# KiCad board main.kicad_pcb
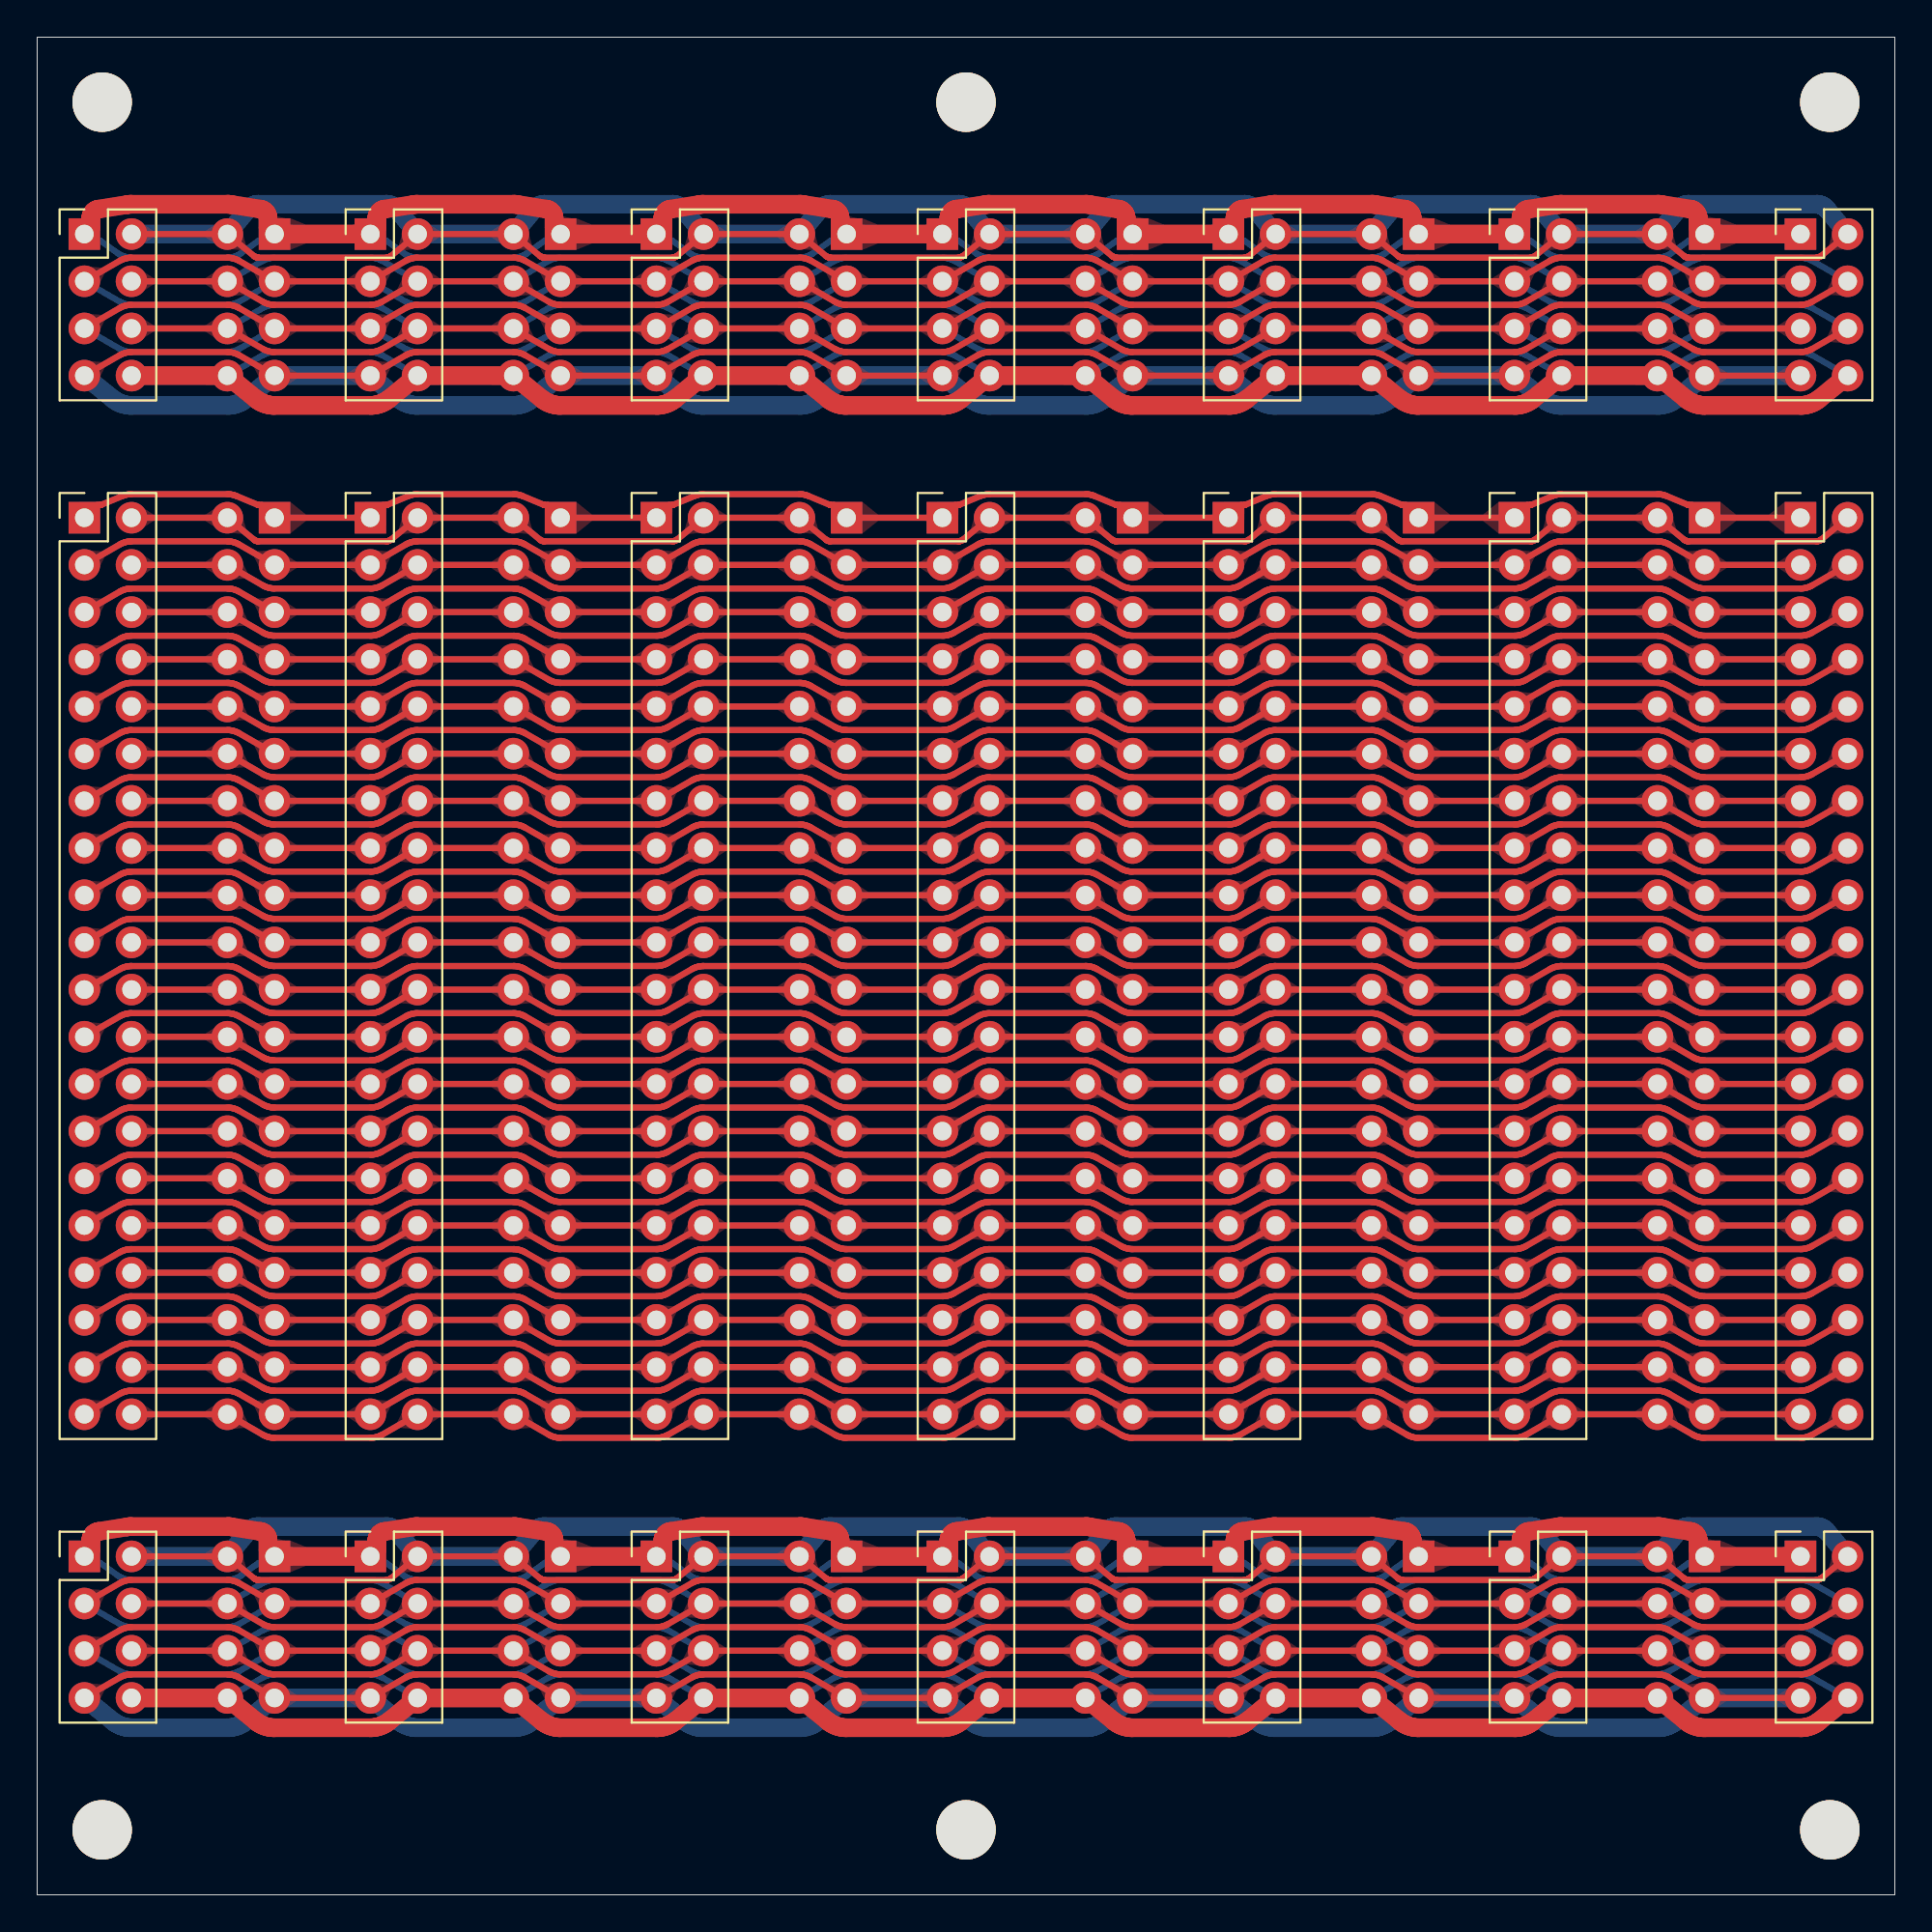
[diagram p0: board, top side]
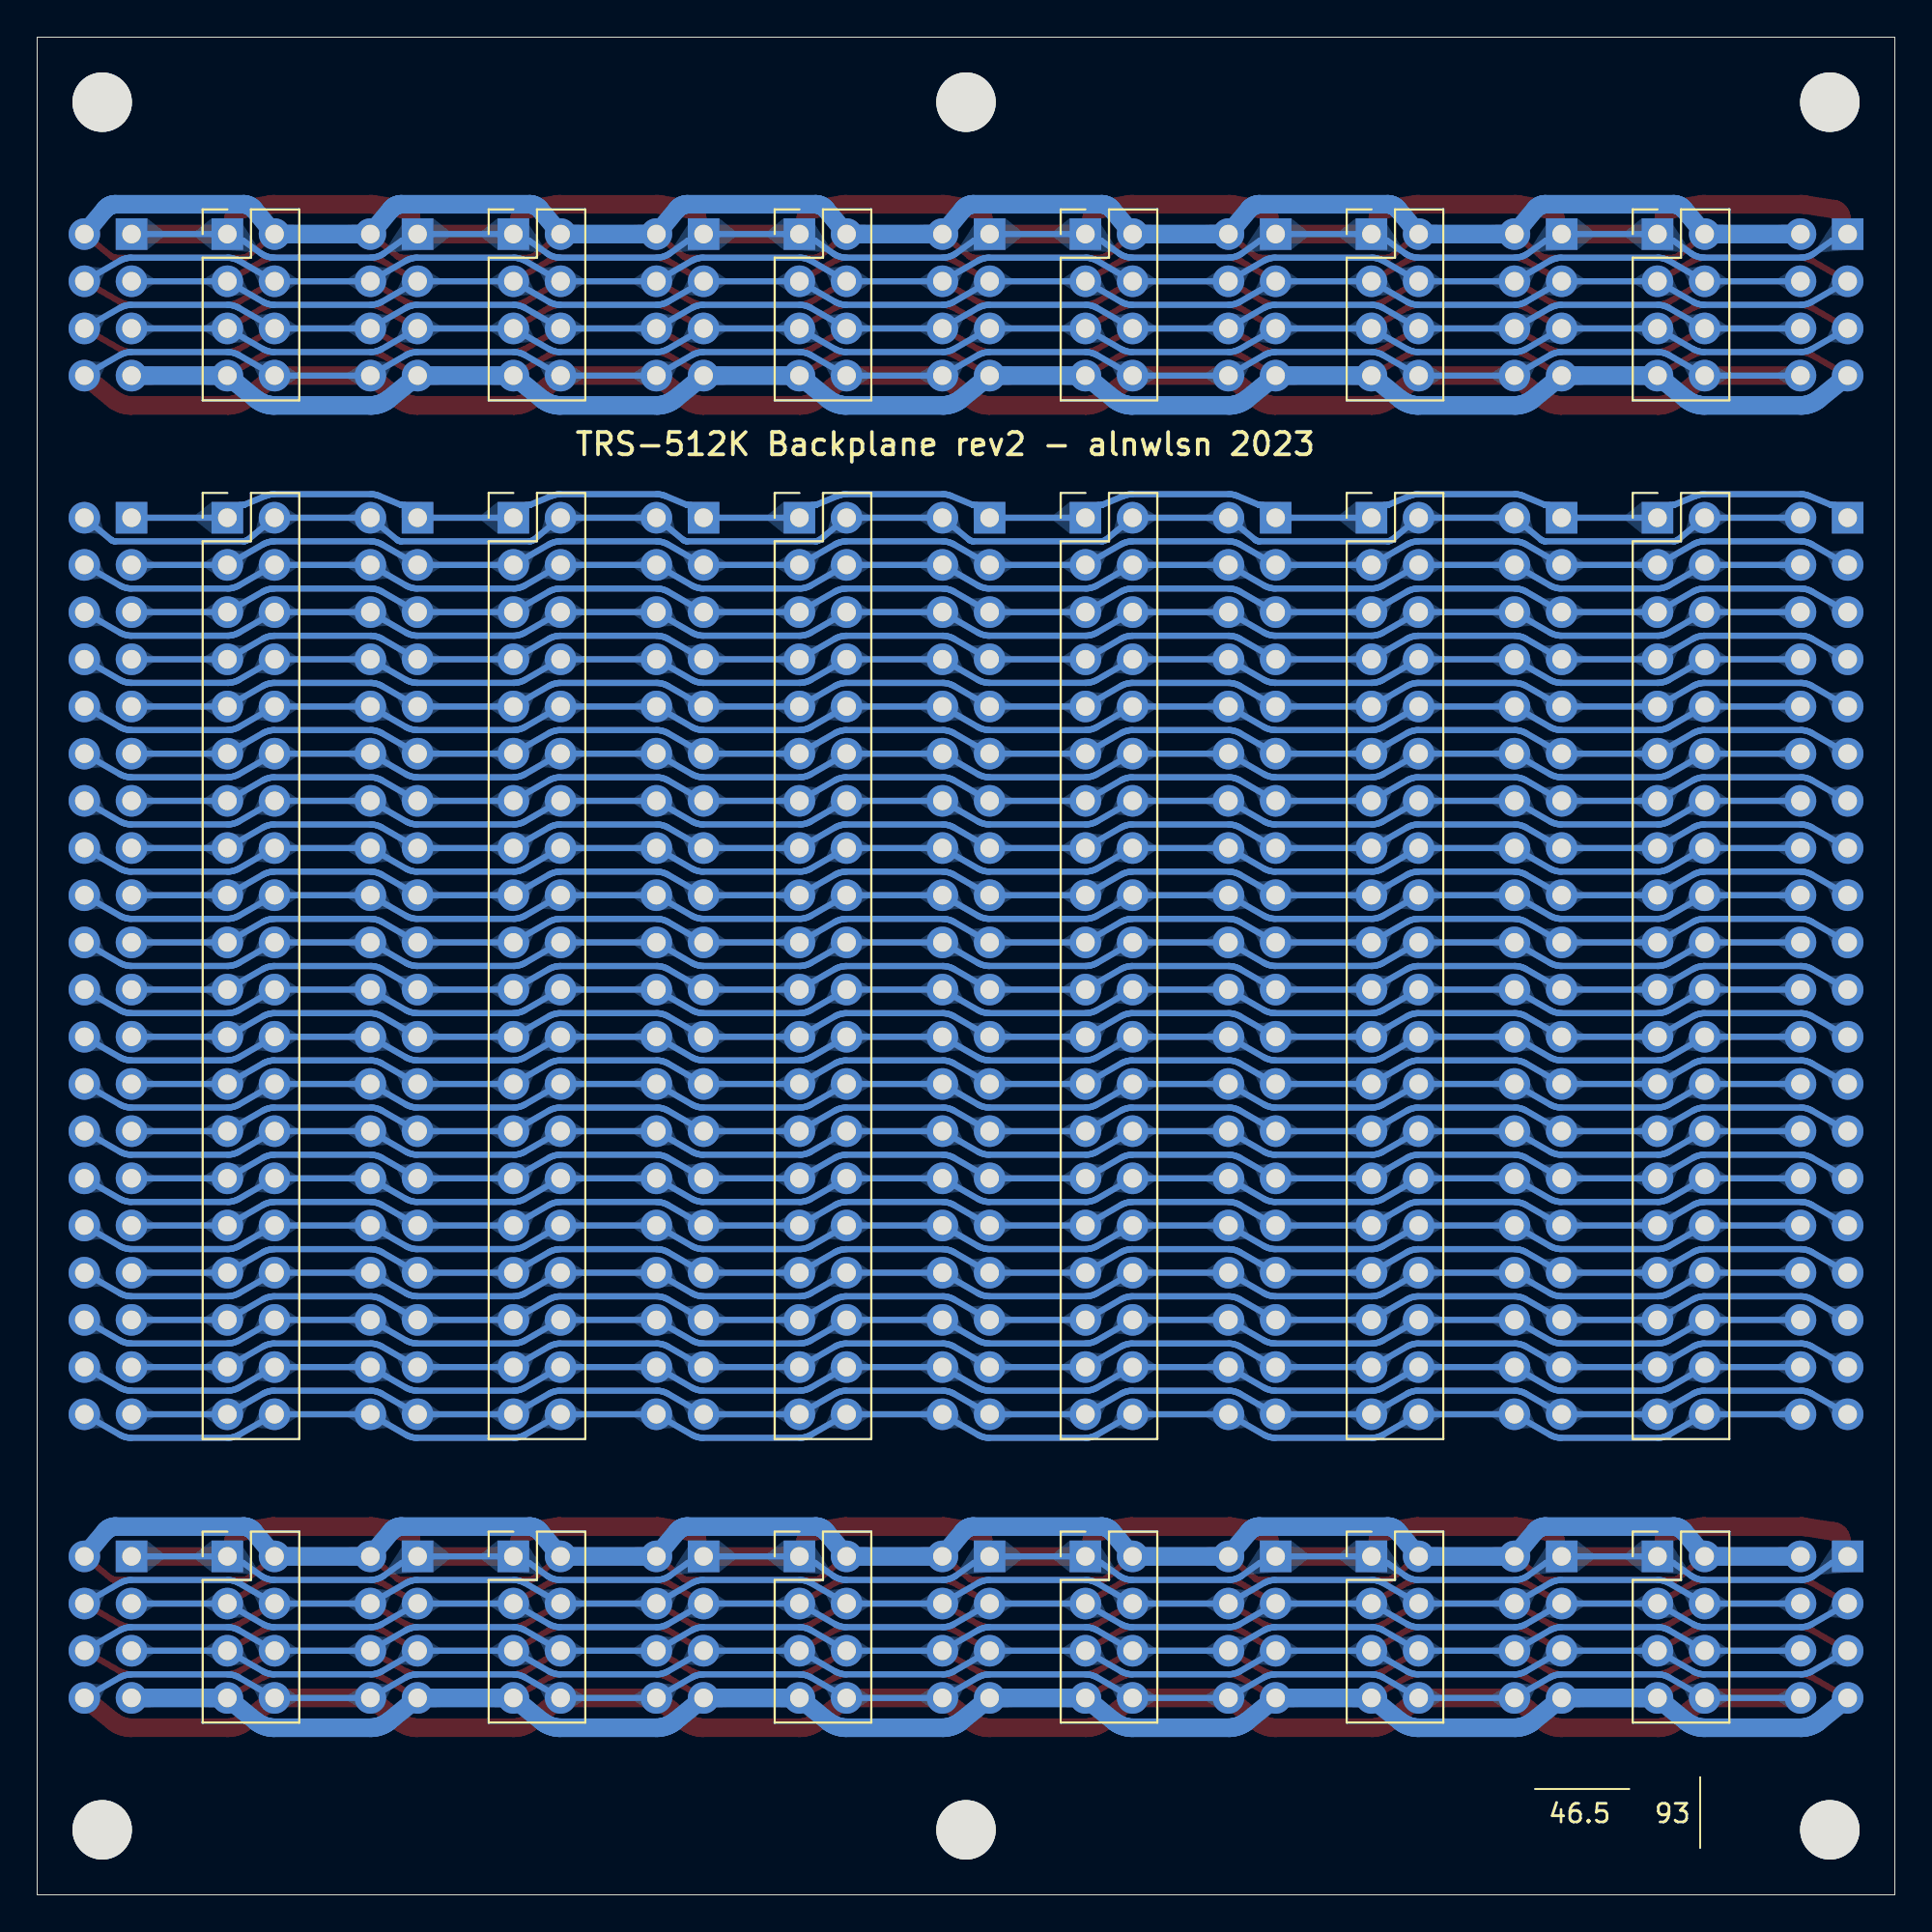
[diagram p1: board, bottom side, seen from below]

Outline 100 x 100 mm; copper layers: Top, Bottom. Coordinates in mm from the lower left corner of the outline.
Outline path: rectangle 0,100 100,0

## Placement (name value [footprint] x y rotation side)
H1  MountingHole  [MountingHole_3.2mm_M3_DIN965]  3.5 3.5 0 top
H2  MountingHole  [MountingHole_3.2mm_M3_DIN965]  3.5 96.5 0 top
H3  MountingHole  [MountingHole_3.2mm_M3_DIN965]  50 3.5 0 top
H4  MountingHole  [MountingHole_3.2mm_M3_DIN965]  96.5 96.5 0 top
H5  MountingHole  [MountingHole_3.2mm_M3_DIN965]  96.5 3.5 0 top
H6  MountingHole  [MountingHole_3.2mm_M3_DIN965]  50 96.5 0 top
J1  Conn_02x04_Odd_Even  [PinHeader_2x04_P2.54mm_Vertical]  2.54 18.22 0 top
J2  Conn_02x04_Odd_Even  [PinHeader_2x04_P2.54mm_Vertical]  2.54 89.4 0 top
J3  TRS80W-header  [PinHeader_2x20_P2.54mm_Vertical]  2.54 74.13 0 top
J4  Conn_02x04_Odd_Even  [PinHeader_2x04_P2.54mm_Vertical]  43.57 89.4 180 bottom
J5  Conn_02x04_Odd_Even  [PinHeader_2x04_P2.54mm_Vertical]  33.33 89.4 0 top
J6  Conn_02x04_Odd_Even  [PinHeader_2x04_P2.54mm_Vertical]  17.94 89.4 0 top
J7  Conn_02x04_Odd_Even  [PinHeader_2x04_P2.54mm_Vertical]  28.17 89.4 180 bottom
J8  Conn_02x04_Odd_Even  [PinHeader_2x04_P2.54mm_Vertical]  48.73 89.4 0 top
J9  TRS80W-header  [PinHeader_2x20_P2.54mm_Vertical]  28.17 74.13 180 bottom
J10  TRS80W-header  [PinHeader_2x20_P2.54mm_Vertical]  89.76 74.13 180 bottom
J11  TRS80W-header  [PinHeader_2x20_P2.54mm_Vertical]  48.73 74.13 0 top
J12  TRS80W-header  [PinHeader_2x20_P2.54mm_Vertical]  17.94 74.13 0 top
J13  TRS80W-header  [PinHeader_2x20_P2.54mm_Vertical]  33.33 74.13 0 top
J14  Conn_02x04_Odd_Even  [PinHeader_2x04_P2.54mm_Vertical]  43.57 18.22 180 bottom
J15  Conn_02x04_Odd_Even  [PinHeader_2x04_P2.54mm_Vertical]  28.17 18.22 180 bottom
J16  Conn_02x04_Odd_Even  [PinHeader_2x04_P2.54mm_Vertical]  12.78 18.22 180 bottom
J17  Conn_02x04_Odd_Even  [PinHeader_2x04_P2.54mm_Vertical]  89.76 18.22 180 bottom
J18  Conn_02x04_Odd_Even  [PinHeader_2x04_P2.54mm_Vertical]  74.36 18.22 180 bottom
J19  Conn_02x04_Odd_Even  [PinHeader_2x04_P2.54mm_Vertical]  89.76 89.4 180 bottom
J20  Conn_02x04_Odd_Even  [PinHeader_2x04_P2.54mm_Vertical]  74.36 89.4 180 bottom
J21  Conn_02x04_Odd_Even  [PinHeader_2x04_P2.54mm_Vertical]  12.78 89.4 180 bottom
J22  Conn_02x04_Odd_Even  [PinHeader_2x04_P2.54mm_Vertical]  64.13 89.4 0 top
J23  Conn_02x04_Odd_Even  [PinHeader_2x04_P2.54mm_Vertical]  79.52 89.4 0 top
J24  Conn_02x04_Odd_Even  [PinHeader_2x04_P2.54mm_Vertical]  58.97 89.4 180 bottom
J25  TRS80W-header  [PinHeader_2x20_P2.54mm_Vertical]  64.13 74.13 0 top
J26  TRS80W-header  [PinHeader_2x20_P2.54mm_Vertical]  12.78 74.13 180 bottom
J27  TRS80W-header  [PinHeader_2x20_P2.54mm_Vertical]  58.97 74.13 180 bottom
J28  TRS80W-header  [PinHeader_2x20_P2.54mm_Vertical]  43.57 74.13 180 bottom
J29  TRS80W-header  [PinHeader_2x20_P2.54mm_Vertical]  94.92 74.13 0 top
J30  TRS80W-header  [PinHeader_2x20_P2.54mm_Vertical]  79.52 74.13 0 top
J31  Conn_02x04_Odd_Even  [PinHeader_2x04_P2.54mm_Vertical]  48.73 18.22 0 top
J32  Conn_02x04_Odd_Even  [PinHeader_2x04_P2.54mm_Vertical]  79.52 18.22 0 top
J33  Conn_02x04_Odd_Even  [PinHeader_2x04_P2.54mm_Vertical]  64.13 18.22 0 top
J34  Conn_02x04_Odd_Even  [PinHeader_2x04_P2.54mm_Vertical]  58.97 18.22 180 bottom
J35  Conn_02x04_Odd_Even  [PinHeader_2x04_P2.54mm_Vertical]  33.33 18.22 0 top
J36  Conn_02x04_Odd_Even  [PinHeader_2x04_P2.54mm_Vertical]  17.94 18.22 0 top
J37  Conn_02x04_Odd_Even  [PinHeader_2x04_P2.54mm_Vertical]  94.92 89.4 0 top
J38  TRS80W-header  [PinHeader_2x20_P2.54mm_Vertical]  74.36 74.13 180 bottom
J39  Conn_02x04_Odd_Even  [PinHeader_2x04_P2.54mm_Vertical]  94.92 18.22 0 top

## Library data of the parts
H1-H6 = -: Description: Mounting Hole without connection
J1 J2 J4-J8 J14-J24 J31-J37 J39 = -: Description: Generic connector, double row, 02x04, odd/even pin numbering scheme (row 1 odd numbers, row 2 even numbers), script generated (kicad-library-utils/schlib/autogen/connector/)

## Footprints (pads in the part's own frame, mm; a bottom-side part is the same pattern mirrored in y, then rotated)
MountingHole_3.2mm_M3_DIN965
  round 3.2 hole 3.2 unplated: (0,0)
PinHeader_2x04_P2.54mm_Vertical
  rect 1.7x1.7 hole 1: 1(0,0)
  oval 1.7x1.7 hole 1: 2(2.54,0) 3(0,-2.54) 4(2.54,-2.54) 5(0,-5.08) 6(2.54,-5.08) 7(0,-7.62) 8(2.54,-7.62)
PinHeader_2x20_P2.54mm_Vertical
  rect 1.7x1.7 hole 1: 1(0,0)
  oval 1.7x1.7 hole 1: 2(2.54,0) 3(0,-2.54) 4(2.54,-2.54) 5(0,-5.08) 6(2.54,-5.08) 7(0,-7.62) 8(2.54,-7.62) 9(0,-10.16) 10(2.54,-10.16) 11(0,-12.7) 12(2.54,-12.7) 13(0,-15.24) 14(2.54,-15.24) 15(0,-17.78) 16(2.54,-17.78) 17(0,-20.32) 18(2.54,-20.32) 19(0,-22.86) 20(2.54,-22.86) 21(0,-25.4) 22(2.54,-25.4) 23(0,-27.94) 24(2.54,-27.94) 25(0,-30.48) 26(2.54,-30.48) 27(0,-33.02) 28(2.54,-33.02) 29(0,-35.56) 30(2.54,-35.56) 31(0,-38.1) 32(2.54,-38.1) 33(0,-40.64) 34(2.54,-40.64) 35(0,-43.18) 36(2.54,-43.18) 37(0,-45.72) 38(2.54,-45.72) 39(0,-48.26) 40(2.54,-48.26)

## Nets
5V1: J2.1 J4.1 J5.1 J6.1 J7.1 J8.1 J19.1 J20.1 J21.1 J22.1 J23.1 J24.1 J37.1
5V2: J2.3 J4.3 J5.3 J6.3 J7.3 J8.3 J19.3 J20.3 J21.3 J22.3 J23.3 J24.3 J37.3
+5V: J3.40 J9.40 J10.40 J11.40 J12.40 J13.40 J25.40 J26.40 J27.40 J28.40 J29.40 J30.40 J38.40
GND: J3.7 J9.7 J10.7 J11.7 J12.7 J13.7 J25.7 J26.7 J27.7 J28.7 J29.7 J30.7 J38.7
GND2: J3.30 J9.30 J10.30 J11.30 J12.30 J13.30 J25.30 J26.30 J27.30 J28.30 J29.30 J30.30 J38.30
GND3: J3.38 J9.38 J10.38 J11.38 J12.38 J13.38 J25.38 J26.38 J27.38 J28.38 J29.38 J30.38 J38.38
GND4: J2.2 J4.2 J5.2 J6.2 J7.2 J8.2 J19.2 J20.2 J21.2 J22.2 J23.2 J24.2 J37.2
GND5: J2.4 J4.4 J5.4 J6.4 J7.4 J8.4 J19.4 J20.4 J21.4 J22.4 J23.4 J24.4 J37.4
GND6: J2.6 J4.6 J5.6 J6.6 J7.6 J8.6 J19.6 J20.6 J21.6 J22.6 J23.6 J24.6 J37.6
GND7: J2.8 J4.8 J5.8 J6.8 J7.8 J8.8 J19.8 J20.8 J21.8 J22.8 J23.8 J24.8 J37.8
+12: J2.7 J4.7 J5.7 J6.7 J7.7 J8.7 J19.7 J20.7 J21.7 J22.7 J23.7 J24.7 J37.7
-5: J2.5 J4.5 J5.5 J6.5 J7.5 J8.5 J19.5 J20.5 J21.5 J22.5 J23.5 J24.5 J37.5
C1: J1.1 J14.1 J15.1 J16.1 J17.1 J18.1 J31.1 J32.1 J33.1 J34.1 J35.1 J36.1 J39.1
C2: J1.2 J14.2 J15.2 J16.2 J17.2 J18.2 J31.2 J32.2 J33.2 J34.2 J35.2 J36.2 J39.2
C3: J1.3 J14.3 J15.3 J16.3 J17.3 J18.3 J31.3 J32.3 J33.3 J34.3 J35.3 J36.3 J39.3
C4: J1.4 J14.4 J15.4 J16.4 J17.4 J18.4 J31.4 J32.4 J33.4 J34.4 J35.4 J36.4 J39.4
C5: J1.5 J14.5 J15.5 J16.5 J17.5 J18.5 J31.5 J32.5 J33.5 J34.5 J35.5 J36.5 J39.5
C6: J1.6 J14.6 J15.6 J16.6 J17.6 J18.6 J31.6 J32.6 J33.6 J34.6 J35.6 J36.6 J39.6
C7: J1.7 J14.7 J15.7 J16.7 J17.7 J18.7 J31.7 J32.7 J33.7 J34.7 J35.7 J36.7 J39.7
C8: J1.8 J14.8 J15.8 J16.8 J17.8 J18.8 J31.8 J32.8 J33.8 J34.8 J35.8 J36.8 J39.8
CLK: J3.24 J9.24 J10.24 J11.24 J12.24 J13.24 J25.24 J26.24 J27.24 J28.24 J29.24 J30.24 J38.24
F_A0: J3.26 J9.26 J10.26 J11.26 J12.26 J13.26 J25.26 J26.26 J27.26 J28.26 J29.26 J30.26 J38.26
F_A1: J3.28 J9.28 J10.28 J11.28 J12.28 J13.28 J25.28 J26.28 J27.28 J28.28 J29.28 J30.28 J38.28
F_A2: J3.39 J9.39 J10.39 J11.39 J12.39 J13.39 J25.39 J26.39 J27.39 J28.39 J29.39 J30.39 J38.39
F_A3: J3.33 J9.33 J10.33 J11.33 J12.33 J13.33 J25.33 J26.33 J27.33 J28.33 J29.33 J30.33 J38.33
F_A4: J3.32 J9.32 J10.32 J11.32 J12.32 J13.32 J25.32 J26.32 J27.32 J28.32 J29.32 J30.32 J38.32
F_A5: J3.36 J9.36 J10.36 J11.36 J12.36 J13.36 J25.36 J26.36 J27.36 J28.36 J29.36 J30.36 J38.36
F_A6: J3.37 J9.37 J10.37 J11.37 J12.37 J13.37 J25.37 J26.37 J27.37 J28.37 J29.37 J30.37 J38.37
F_A7: J3.35 J9.35 J10.35 J11.35 J12.35 J13.35 J25.35 J26.35 J27.35 J28.35 J29.35 J30.35 J38.35
F_A8: J3.12 J9.12 J10.12 J11.12 J12.12 J13.12 J25.12 J26.12 J27.12 J28.12 J29.12 J30.12 J38.12
F_A9: J3.18 J9.18 J10.18 J11.18 J12.18 J13.18 J25.18 J26.18 J27.18 J28.18 J29.18 J30.18 J38.18
F_A10: J3.3 J9.3 J10.3 J11.3 J12.3 J13.3 J25.3 J26.3 J27.3 J28.3 J29.3 J30.3 J38.3
F_A11: J3.10 J9.10 J10.10 J11.10 J12.10 J13.10 J25.10 J26.10 J27.10 J28.10 J29.10 J30.10 J38.10
F_A12: J3.6 J9.6 J10.6 J11.6 J12.6 J13.6 J25.6 J26.6 J27.6 J28.6 J29.6 J30.6 J38.6
F_A13: J3.5 J9.5 J10.5 J11.5 J12.5 J13.5 J25.5 J26.5 J27.5 J28.5 J29.5 J30.5 J38.5
F_A14: J3.9 J9.9 J10.9 J11.9 J12.9 J13.9 J25.9 J26.9 J27.9 J28.9 J29.9 J30.9 J38.9
F_A15: J3.8 J9.8 J10.8 J11.8 J12.8 J13.8 J25.8 J26.8 J27.8 J28.8 J29.8 J30.8 J38.8
F_D0: J3.29 J9.29 J10.29 J11.29 J12.29 J13.29 J25.29 J26.29 J27.29 J28.29 J29.29 J30.29 J38.29
F_D1: J3.21 J9.21 J10.21 J11.21 J12.21 J13.21 J25.21 J26.21 J27.21 J28.21 J29.21 J30.21 J38.21
F_D2: J3.31 J9.31 J10.31 J11.31 J12.31 J13.31 J25.31 J26.31 J27.31 J28.31 J29.31 J30.31 J38.31
F_D3: J3.25 J9.25 J10.25 J11.25 J12.25 J13.25 J25.25 J26.25 J27.25 J28.25 J29.25 J30.25 J38.25
F_D4: J3.17 J9.17 J10.17 J11.17 J12.17 J13.17 J25.17 J26.17 J27.17 J28.17 J29.17 J30.17 J38.17
F_D5: J3.27 J9.27 J10.27 J11.27 J12.27 J13.27 J25.27 J26.27 J27.27 J28.27 J29.27 J30.27 J38.27
F_D6: J3.23 J9.23 J10.23 J11.23 J12.23 J13.23 J25.23 J26.23 J27.23 J28.23 J29.23 J30.23 J38.23
F_D7: J3.19 J9.19 J10.19 J11.19 J12.19 J13.19 J25.19 J26.19 J27.19 J28.19 J29.19 J30.19 J38.19
~{F_EXMEM}: J3.4 J9.4 J10.4 J11.4 J12.4 J13.4 J25.4 J26.4 J27.4 J28.4 J29.4 J30.4 J38.4
~{F_INTAK}: J3.13 J9.13 J10.13 J11.13 J12.13 J13.13 J25.13 J26.13 J27.13 J28.13 J29.13 J30.13 J38.13
~{F_INT}: J3.22 J9.22 J10.22 J11.22 J12.22 J13.22 J25.22 J26.22 J27.22 J28.22 J29.22 J30.22 J38.22
~{F_INUSE}: J3.15 J9.15 J10.15 J11.15 J12.15 J13.15 J25.15 J26.15 J27.15 J28.15 J29.15 J30.15 J38.15
~{F_IN}: J3.20 J9.20 J10.20 J11.20 J12.20 J13.20 J25.20 J26.20 J27.20 J28.20 J29.20 J30.20 J38.20
~{F_MREQ}: J3.2 J9.2 J10.2 J11.2 J12.2 J13.2 J25.2 J26.2 J27.2 J28.2 J29.2 J30.2 J38.2
~{F_OUT}: J3.11 J9.11 J10.11 J11.11 J12.11 J13.11 J25.11 J26.11 J27.11 J28.11 J29.11 J30.11 J38.11
~{F_READ}: J3.16 J9.16 J10.16 J11.16 J12.16 J13.16 J25.16 J26.16 J27.16 J28.16 J29.16 J30.16 J38.16
~{F_SYSRES}: J3.1 J9.1 J10.1 J11.1 J12.1 J13.1 J25.1 J26.1 J27.1 J28.1 J29.1 J30.1 J38.1
~{F_WAIT}: J3.34 J9.34 J10.34 J11.34 J12.34 J13.34 J25.34 J26.34 J27.34 J28.34 J29.34 J30.34 J38.34
~{F_WRITE}: J3.14 J9.14 J10.14 J11.14 J12.14 J13.14 J25.14 J26.14 J27.14 J28.14 J29.14 J30.14 J38.14

## Routing (per net, layer and track width the routed paths; a pad name or vN(x,y) marks a point on that pad's centre or on a via; arc(x,y) is an arc through that point)
5V1: length 200.4
  Top w1: J37.1 J19.1 89.41,89.75 89.41,90.25 89.41,90.28 89.41,90.31 89.4,90.33 89.4,90.36 89.39,90.39 89.38,90.42 89.37,90.44 89.36,90.47 89.35,90.49 89.33,90.52 89.32,90.54 89.3,90.56 89.28,90.59 89.26,90.61 89.24,90.62 89.22,90.64 89.2,90.66 89.17,90.68 89.15,90.69 89.12,90.7 89.1,90.71 89.07,90.72 89.05,90.73 89.02,90.74 88.99,90.74 87.47,90.98 87.43,90.99 87.39,91 87.35,91 87.31,91 87.26,91 87.22,91 82.06,91 82.02,91 81.98,91 81.94,91 81.9,91 81.85,90.99 81.81,90.98 80.29,90.74 80.27,90.74 80.24,90.73 80.21,90.72 80.19,90.71 80.16,90.7 80.14,90.69 80.11,90.68 80.09,90.66 80.06,90.64 80.04,90.62 80.02,90.61 80,90.59 79.98,90.56 79.97,90.54 79.95,90.52 79.94,90.49 79.92,90.47 79.91,90.44 79.9,90.42 79.89,90.39 79.89,90.36 79.88,90.33 79.88,90.31 79.87,90.28 79.87,90.25 79.87,89.75 J23.1 J20.1 74.02,89.75 74.02,90.25 74.01,90.28 74.01,90.31 74.01,90.33 74,90.36 74,90.39 73.99,90.42 73.98,90.44 73.96,90.47 73.95,90.49 73.94,90.52 73.92,90.54 73.9,90.56 73.89,90.59 73.87,90.61 73.85,90.62 73.82,90.64 73.8,90.66 73.78,90.68 73.75,90.69 73.73,90.7 73.7,90.71 73.68,90.72 73.65,90.73 73.62,90.74 73.59,90.74 72.08,90.98 72.03,90.99 71.99,91 71.95,91 71.91,91 71.87,91 71.83,91 66.67,91 66.62,91 66.58,91 66.54,91 66.5,91 66.46,90.99 66.42,90.98 64.9,90.74 64.87,90.74 64.84,90.73 64.82,90.72 64.79,90.71 64.76,90.7 64.74,90.69 64.71,90.68 64.69,90.66 64.67,90.64 64.65,90.62 64.63,90.61 64.61,90.59 64.59,90.56 64.57,90.54 64.55,90.52 64.54,90.49 64.53,90.47 64.52,90.44 64.51,90.42 64.5,90.39 64.49,90.36 64.48,90.33 64.48,90.31 64.48,90.28 64.48,90.25 64.48,89.75 J22.1 J24.1 58.62,89.75 58.62,90.25 58.62,90.28 58.62,90.31 58.61,90.33 58.61,90.36 58.6,90.39 58.59,90.42 58.58,90.44 58.57,90.47 58.55,90.49 58.54,90.52 58.52,90.54 58.51,90.56 58.49,90.59 58.47,90.61 58.45,90.62 58.43,90.64 58.4,90.66 58.38,90.68 58.36,90.69 58.33,90.7 58.31,90.71 58.28,90.72 58.25,90.73 58.22,90.74 58.2,90.74 56.68,90.98 56.64,90.99 56.6,91 56.55,91 56.51,91 56.47,91 56.43,91 51.27,91 51.23,91 51.19,91 51.14,91 51.1,91 51.06,90.99 51.02,90.98 49.5,90.74 49.47,90.74 49.45,90.73 49.42,90.72 49.39,90.71 49.37,90.7 49.34,90.69 49.32,90.68 49.29,90.66 49.27,90.64 49.25,90.62 49.23,90.61 49.21,90.59 49.19,90.56 49.17,90.54 49.16,90.52 49.14,90.49 49.13,90.47 49.12,90.44 49.11,90.42 49.1,90.39 49.09,90.36 49.09,90.33 49.08,90.31 49.08,90.28 49.08,90.25 49.08,89.75 J8.1 J4.1 43.22,89.75 43.22,90.25 43.22,90.28 43.22,90.31 43.21,90.33 43.21,90.36 43.2,90.39 43.19,90.42 43.18,90.44 43.17,90.47 43.16,90.49 43.14,90.52 43.13,90.54 43.11,90.56 43.09,90.59 43.07,90.61 43.05,90.62 43.03,90.64 43.01,90.66 42.98,90.68 42.96,90.69 42.93,90.7 42.91,90.71 42.88,90.72 42.86,90.73 42.83,90.74 42.8,90.74 41.28,90.98 41.24,90.99 41.2,91 41.16,91 41.12,91 41.07,91 41.03,91 35.87,91 35.83,91 35.79,91 35.75,91 35.71,91 35.66,90.99 35.62,90.98 34.1,90.74 34.08,90.74 34.05,90.73 34.02,90.72 34,90.71 33.97,90.7 33.95,90.69 33.92,90.68 33.9,90.66 33.87,90.64 33.85,90.62 33.83,90.61 33.81,90.59 33.79,90.56 33.78,90.54 33.76,90.52 33.75,90.49 33.73,90.47 33.72,90.44 33.71,90.42 33.7,90.39 33.7,90.36 33.69,90.33 33.69,90.31 33.68,90.28 33.68,90.25 33.68,89.75 J5.1 J7.1 27.83,89.75 27.83,90.25 27.82,90.28 27.82,90.31 27.82,90.33 27.81,90.36 27.81,90.39 27.8,90.42 27.79,90.44 27.77,90.47 27.76,90.49 27.75,90.52 27.73,90.54 27.71,90.56 27.7,90.59 27.68,90.61 27.66,90.62 27.63,90.64 27.61,90.66 27.59,90.68 27.56,90.69 27.54,90.7 27.51,90.71 27.49,90.72 27.46,90.73 27.43,90.74 27.4,90.74 25.89,90.98 25.84,90.99 25.8,91 25.76,91 25.72,91 25.68,91 25.63,91 20.48,91 20.43,91 20.39,91 20.35,91 20.31,91 20.27,90.99 20.23,90.98 18.71,90.74 18.68,90.74 18.65,90.73 18.63,90.72 18.6,90.71 18.57,90.7 18.55,90.69 18.52,90.68 18.5,90.66 18.48,90.64 18.46,90.62 18.44,90.61 18.42,90.59 18.4,90.56 18.38,90.54 18.36,90.52 18.35,90.49 18.34,90.47 18.33,90.44 18.32,90.42 18.31,90.39 18.3,90.36 18.29,90.33 18.29,90.31 18.29,90.28 18.29,90.25 18.29,89.75 J6.1 J21.1 12.43,89.75 12.43,90.25 12.43,90.28 12.43,90.31 12.42,90.33 12.42,90.36 12.41,90.39 12.4,90.42 12.39,90.44 12.38,90.47 12.36,90.49 12.35,90.52 12.33,90.54 12.32,90.56 12.3,90.59 12.28,90.61 12.26,90.62 12.24,90.64 12.21,90.66 12.19,90.68 12.17,90.69 12.14,90.7 12.12,90.71 12.09,90.72 12.06,90.73 12.03,90.74 12.01,90.74 10.49,90.98 10.45,90.99 10.41,91 10.36,91 10.32,91 10.28,91 10.24,91 5.08,91 5.04,91 5,91 4.95,91 4.91,91 4.87,90.99 4.83,90.98 3.31,90.74 3.28,90.74 3.26,90.73 3.23,90.72 3.2,90.71 3.18,90.7 3.15,90.69 3.13,90.68 3.1,90.66 3.08,90.64 3.06,90.62 3.04,90.61 3.02,90.59 3,90.56 2.98,90.54 2.97,90.52 2.95,90.49 2.94,90.47 2.93,90.44 2.92,90.42 2.91,90.39 2.9,90.36 2.9,90.33 2.89,90.31 2.89,90.28 2.89,90.25 2.89,89.75 J2.1
  Bottom w0.33: J37.1 J19.1 89.08,89.05 88.91,89.05 87.96,88.37 87.91,88.33 87.86,88.3 87.81,88.27 87.75,88.25 87.7,88.22 87.64,88.2 87.58,88.18 87.52,88.17 87.46,88.15 87.4,88.14 87.34,88.14 87.28,88.13 87.22,88.13 82.06,88.13 82,88.13 81.94,88.14 81.88,88.14 81.82,88.15 81.76,88.17 81.7,88.18 81.65,88.2 81.59,88.22 81.53,88.25 81.48,88.27 81.43,88.3 81.37,88.33 81.32,88.37 80.37,89.05 80.21,89.05 J23.1 J20.1 73.68,89.05 73.52,89.05 72.56,88.37 ; J2.1 3.23,89.05 3.39,89.05 4.34,88.37 4.39,88.33 4.44,88.3 4.5,88.27 4.55,88.25 4.61,88.22 4.66,88.2 4.72,88.18 4.78,88.17 4.84,88.15 4.9,88.14 4.96,88.14 5.02,88.13 5.08,88.13 10.24,88.13 10.3,88.13 10.36,88.14 10.42,88.14 10.48,88.15 10.54,88.17 10.6,88.18 10.66,88.2 10.71,88.22 10.77,88.25 10.82,88.27 10.88,88.3 10.93,88.33 10.98,88.37 11.93,89.05 12.09,89.05 J21.1 J6.1 18.62,89.05 18.79,89.05 19.74,88.37 19.79,88.33 19.84,88.3 19.89,88.27 19.95,88.25 20,88.22 20.06,88.2 20.12,88.18 20.18,88.17 20.24,88.15 20.3,88.14 20.36,88.14 20.42,88.13 20.48,88.13 25.63,88.13 25.7,88.13 25.76,88.14 25.82,88.14 25.88,88.15 25.94,88.17 25.99,88.18 26.05,88.2 26.11,88.22 26.17,88.25 26.22,88.27 26.27,88.3 26.32,88.33 26.38,88.37 27.33,89.05 27.49,89.05 J7.1 J5.1 34.02,89.05 34.18,89.05 35.13,88.37 35.18,88.33 35.24,88.3 35.29,88.27 35.34,88.25 35.4,88.22 35.46,88.2 35.51,88.18 35.57,88.17 35.63,88.15 35.69,88.14 35.75,88.14 35.81,88.13 35.87,88.13 41.03,88.13 41.09,88.13 41.15,88.14 41.21,88.14 41.27,88.15 41.33,88.17 41.39,88.18 41.45,88.2 41.51,88.22 41.56,88.25 41.62,88.27 41.67,88.3 41.72,88.33 41.77,88.37 42.72,89.05 42.89,89.05 J4.1 J8.1 49.42,89.05 49.58,89.05 50.53,88.37 50.58,88.33 50.63,88.3 50.69,88.27 50.74,88.25 50.8,88.22 50.85,88.2 50.91,88.18 50.97,88.17 51.03,88.15 51.09,88.14 51.15,88.14 51.21,88.13 51.27,88.13 56.43,88.13 56.49,88.13 56.55,88.14 56.61,88.14 56.67,88.15 56.73,88.17 56.79,88.18 56.85,88.2 56.9,88.22 56.96,88.25 57.01,88.27 57.07,88.3 57.12,88.33 57.17,88.37 58.12,89.05 58.28,89.05 J24.1 J22.1 64.81,89.05 64.98,89.05 65.93,88.37 65.98,88.33 66.03,88.3 66.08,88.27 66.14,88.25 66.19,88.22 66.25,88.2 66.31,88.18 66.37,88.17 66.43,88.15 66.49,88.14 66.55,88.14 66.61,88.13 66.67,88.13 71.83,88.13 71.89,88.13 71.95,88.14 72.01,88.14 72.07,88.15 72.13,88.17 72.18,88.18 72.24,88.2 72.3,88.22 72.36,88.25 72.41,88.27 72.46,88.3 72.51,88.33 72.57,88.37
5V2: length 192.5
  Top w0.33: J37.3 J19.3 87.86,87.96 87.8,87.99 87.75,88.01 87.69,88.04 87.64,88.06 87.58,88.08 87.52,88.09 87.46,88.11 87.4,88.12 87.34,88.12 87.28,88.13 87.22,88.13 82.06,88.13 82,88.13 81.94,88.12 81.88,88.12 81.82,88.11 81.76,88.09 81.71,88.08 81.65,88.06 81.59,88.04 81.54,88.01 81.48,87.99 81.43,87.96 J23.3 J20.3 72.46,87.96 72.41,87.99 72.35,88.01 72.3,88.04 72.24,88.06 72.18,88.08 72.12,88.09 72.07,88.11 72.01,88.12 71.95,88.12 71.89,88.13 71.83,88.13 66.67,88.13 66.61,88.13 66.55,88.12 66.49,88.12 66.43,88.11 66.37,88.09 66.31,88.08 66.25,88.06 66.2,88.04 66.14,88.01 66.09,87.99 66.03,87.96 J22.3 J24.3 57.06,87.96 57.01,87.99 56.96,88.01 56.9,88.04 56.84,88.06 56.79,88.08 56.73,88.09 56.67,88.11 56.61,88.12 56.55,88.12 56.49,88.13 56.43,88.13 51.27,88.13 51.21,88.13 51.15,88.12 51.09,88.12 51.03,88.11 50.97,88.09 50.91,88.08 50.85,88.06 50.8,88.04 50.74,88.01 50.69,87.99 50.64,87.96 J8.3 J4.3 41.67,87.96 41.61,87.99 41.56,88.01 41.5,88.04 41.45,88.06 41.39,88.08 41.33,88.09 41.27,88.11 41.21,88.12 41.15,88.12 41.09,88.13 41.03,88.13 35.87,88.13 35.81,88.13 35.75,88.12 35.69,88.12 35.63,88.11 35.57,88.09 35.52,88.08 35.46,88.06 35.4,88.04 35.35,88.01 35.29,87.99 35.24,87.96 J5.3 J7.3 26.27,87.96 26.22,87.99 26.16,88.01 26.11,88.04 26.05,88.06 25.99,88.08 25.93,88.09 25.88,88.11 25.82,88.12 25.76,88.12 25.7,88.13 25.63,88.13 20.48,88.13 20.42,88.13 20.36,88.12 20.3,88.12 20.24,88.11 20.18,88.09 20.12,88.08 20.06,88.06 20.01,88.04 19.95,88.01 19.9,87.99 19.84,87.96 J6.3 J21.3 10.87,87.96 10.82,87.99 10.77,88.01 10.71,88.04 10.65,88.06 10.6,88.08 10.54,88.09 10.48,88.11 10.42,88.12 10.36,88.12 10.3,88.13 10.24,88.13 5.08,88.13 5.02,88.13 4.96,88.12 4.9,88.12 4.84,88.11 4.78,88.09 4.72,88.08 4.66,88.06 4.61,88.04 4.55,88.01 4.5,87.99 4.45,87.96 J2.3